# Altium PCB host_board.PcbDoc (part 4 of 7) (continued)
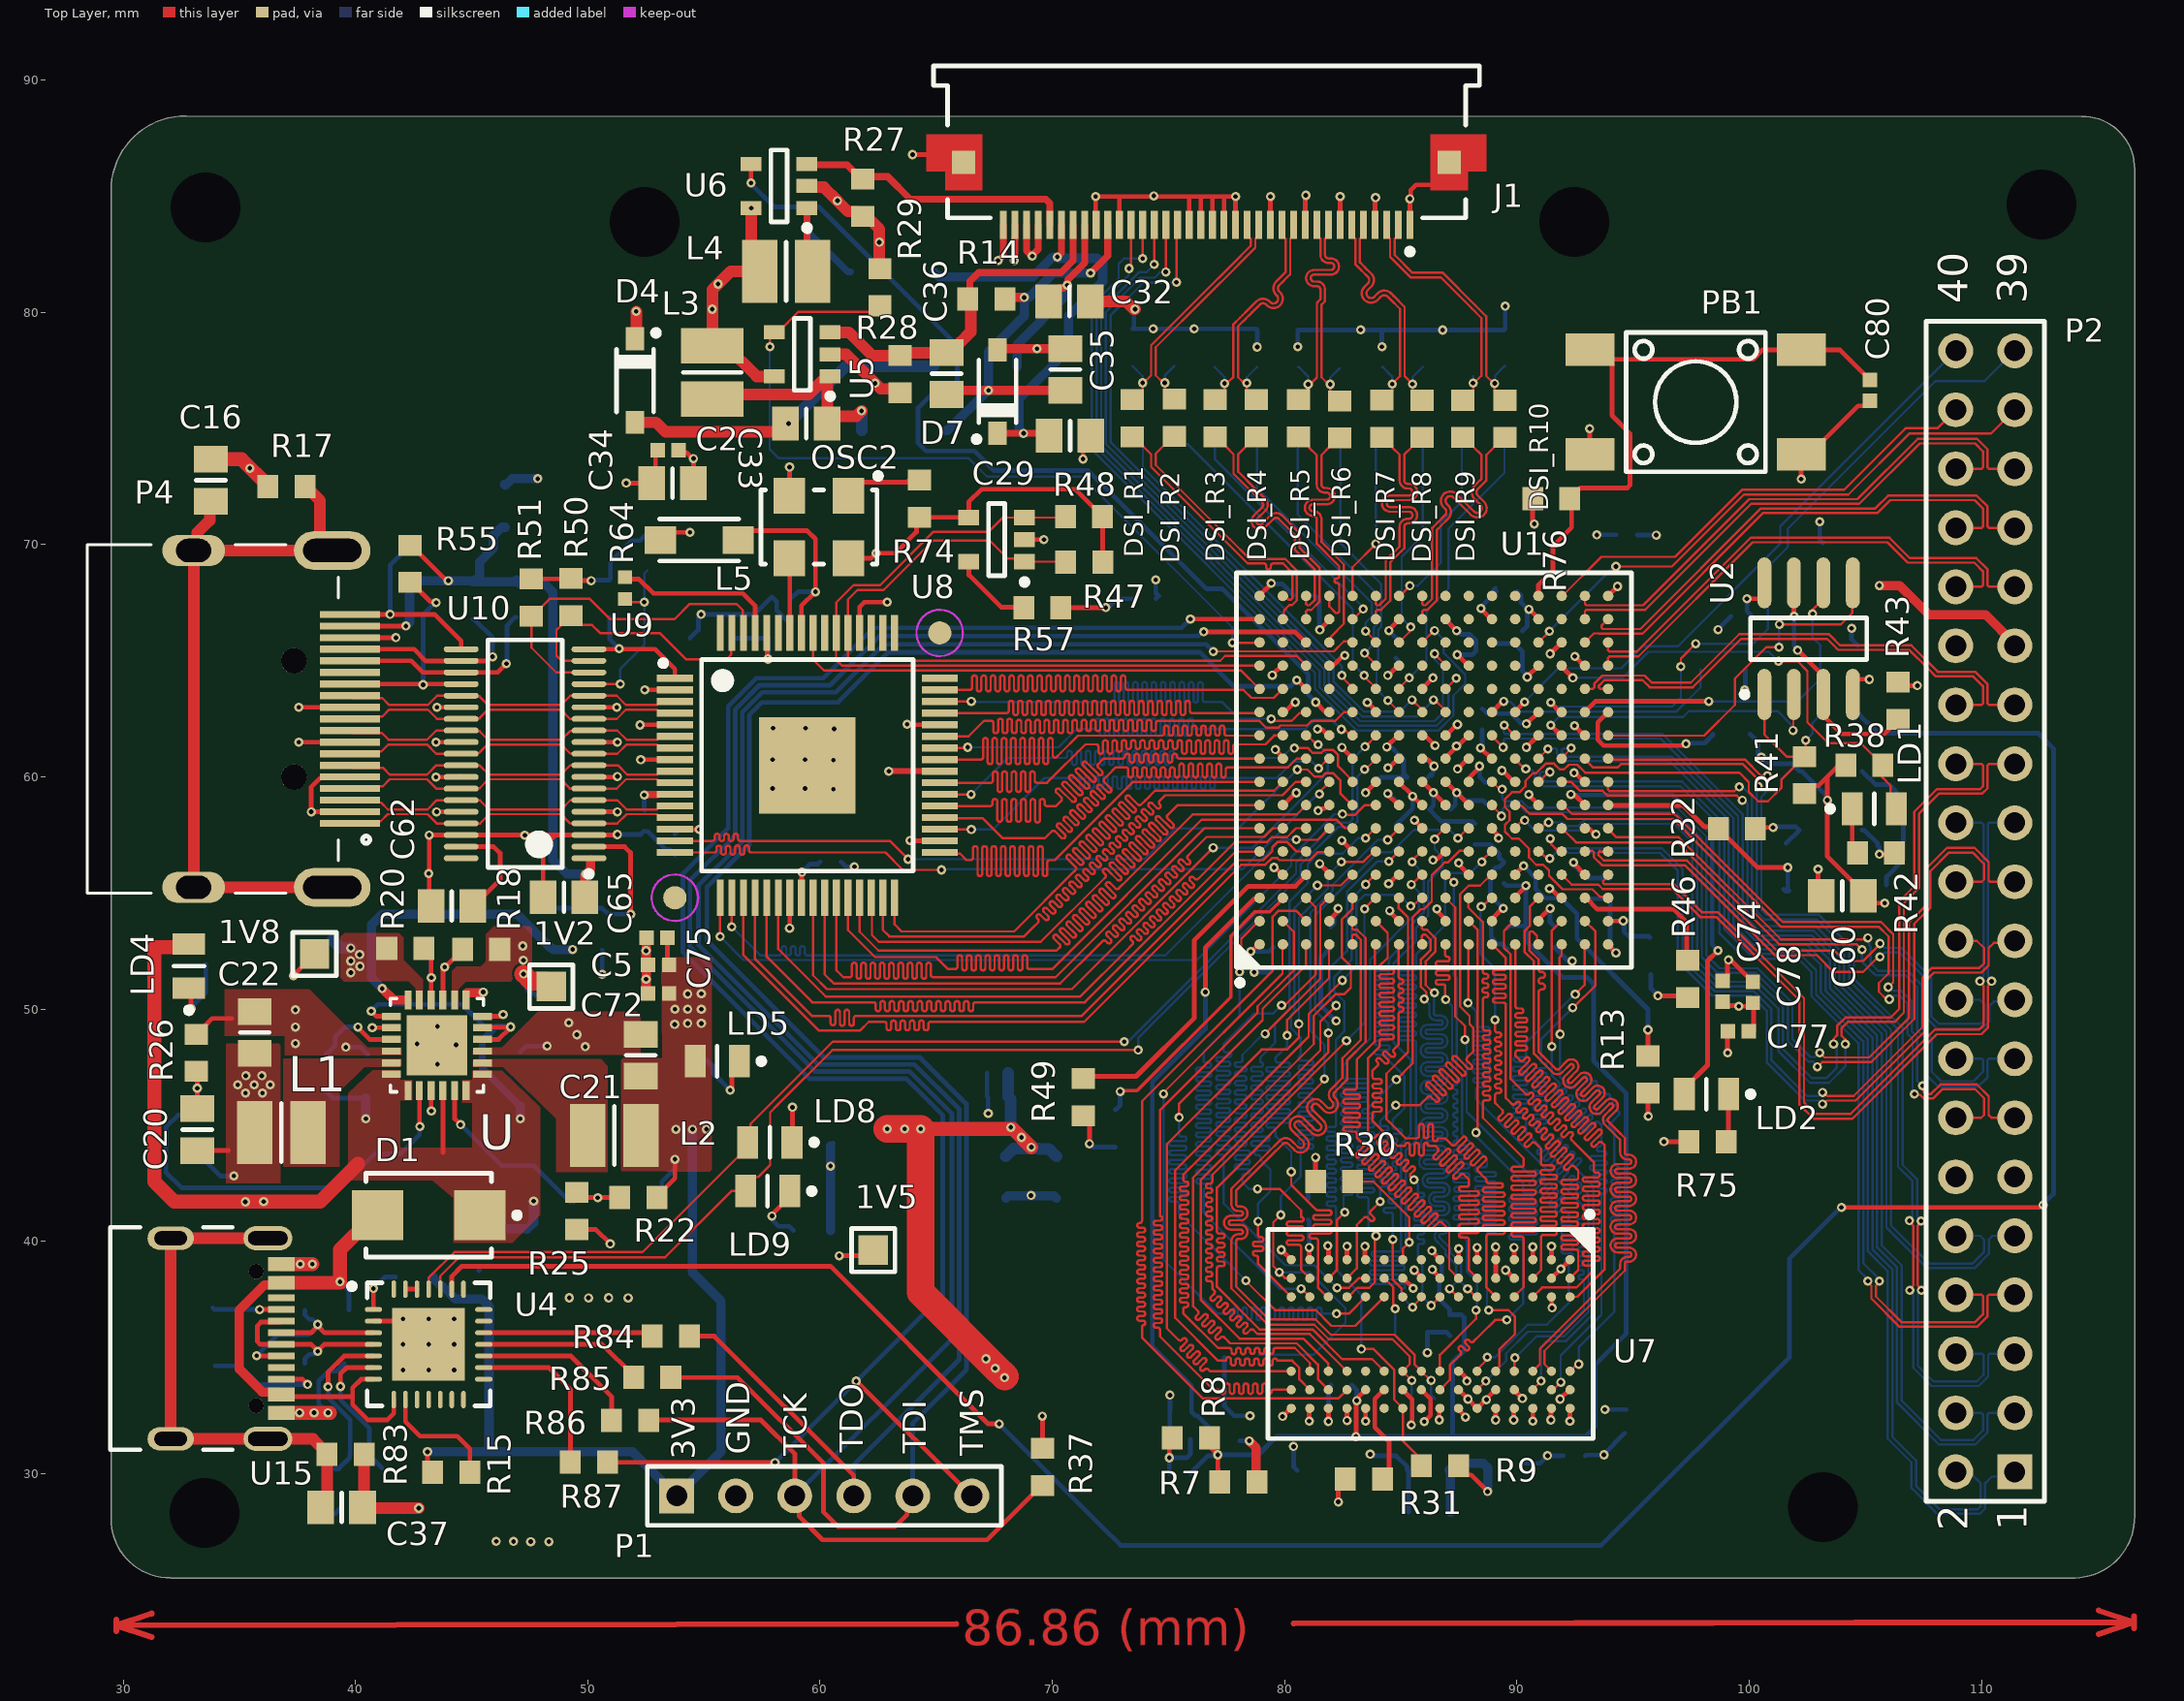
[diagram p0: Top Layer view]
## Nets (pads, with @x,y where several pads share a name; then routed paths per layer and width w, separated by ;. In a path a pad name is that pad's centre, name@x,y a point inside that pad or via, vN(x,y) a via of type N, cw(c..) or ccw(c..) an arc to the next point about the centre after c; other vN are vias at no path point) (continued)
DDR_D11: U1.L3 U7.C2 | length 34.2
  Top Layer w0.1: v1(88.455,54.42) 88.501,54.42 88.874,54.793 U1.L3@88.92,54.793 ; v1(89.055,49.543) 89.055,49.273 89.055,49.098 ccw(c89.155,49.098) 89.155,48.998 89.218,48.998 cw(c89.218,48.898) 89.218,48.798 89.155,48.798 ccw(c89.155,48.698) 89.155,48.598 89.218,48.598 cw(c89.218,48.498) 89.218,48.398 89.155,48.398 ccw(c89.155,48.298) 89.155,48.198 89.218,48.198 cw(c89.218,48.098) 89.218,47.998 89.155,47.998 ccw(c89.155,47.898) 89.155,47.798 89.218,47.798 cw(c89.218,47.698) 89.218,47.598 89.155,47.598 ccw(c89.155,47.498) 89.155,47.398 89.218,47.398 cw(c89.218,47.298) 89.218,47.198 89.155,47.198 ccw(c89.155,47.098) 89.155,46.998 89.218,46.998 cw(c89.218,46.898) 89.218,46.798 89.155,46.798 ccw(c89.155,46.698) 89.155,46.598 89.218,46.598 cw(c89.218,46.498) 89.218,46.398 89.155,46.398 ccw(c89.155,46.298) 89.055,46.298 89.055,46.048 89.055,45.97 89.092,45.933 89.154,45.871 89.364,45.661 cw(c89.293,45.591) 89.364,45.52 89.222,45.378 ccw(c89.293,45.308) 89.222,45.237 ccw(c89.293,45.308) 89.364,45.237 89.603,45.477 cw(c89.674,45.406) 89.745,45.477 cw(c89.674,45.406) 89.745,45.336 89.505,45.096 ccw(c89.576,45.025) 89.505,44.954 ccw(c89.576,45.025) 89.646,44.954 89.886,45.194 cw(c89.957,45.123) 90.028,45.194 cw(c89.957,45.123) 90.028,45.053 89.788,44.813 ccw(c89.858,44.742) 89.788,44.671 ccw(c89.859,44.742) 89.929,44.671 90.169,44.911 cw(c90.24,44.841) 90.311,44.911 cw(c90.24,44.841) 90.311,44.77 90.071,44.53 ccw(c90.141,44.459) 90.071,44.388 ccw(c90.141,44.459) 90.212,44.388 90.452,44.628 cw(c90.523,44.558) 90.593,44.628 cw(c90.523,44.558) 90.593,44.487 90.353,44.247 ccw(c90.424,44.176) 90.353,44.106 ccw(c90.424,44.176) 90.495,44.106 90.636,44.247 cw(c90.707,44.176) 90.778,44.247 90.813,44.212 90.88,44.145 91.03,43.995 91.03,43.695 91.03,43.38 ccw(c91.13,43.38) 91.13,43.28 91.499,43.28 cw(c91.499,43.18) 91.499,43.08 91.105,43.08 ccw(c91.105,42.98) 91.105,42.88 91.618,42.88 cw(c91.618,42.78) 91.618,42.68 91.105,42.68 ccw(c91.105,42.58) 91.105,42.48 91.61,42.48 cw(c91.61,42.38) 91.61,42.28 91.105,42.28 ccw(c91.105,42.18) 91.105,42.08 91.611,42.08 cw(c91.611,41.98) 91.611,41.88 91.105,41.88 ccw(c91.105,41.78) 91.105,41.68 91.611,41.68 cw(c91.611,41.58) 91.611,41.48 91.105,41.48 ccw(c91.105,41.38) 91.105,41.28 91.611,41.28 cw(c91.611,41.18) 91.611,41.08 91.105,41.08 ccw(c91.105,40.98) 91.105,40.88 91.611,40.88 cw(c91.611,40.78) 91.611,40.68 91.105,40.68 ccw(c91.105,40.58) 91.105,40.48 91.611,40.48 cw(c91.611,40.38) 91.611,40.28 91.13,40.28 ccw(c91.13,40.18) 91.03,40.18 91.03,39.93 91.03,38.77 U7.C2@90.68,38.42
  Bottom Layer w0.1: v1@88.43,54.42 88.43,52.37 89.055,51.745 v1(89.055,49.543)
DDR_D12: U1.P1 U7.A7 | length 34.3
  Top Layer w0.1: v1(91.853,48.928) 91.824,48.957 91.824,52.228 91.92,52.324 U1.P1@91.92,52.793 ; U7.A7@92.28,34.42 92.58,34.72 v2(92.655,34.72)
  Bottom Layer w0.1: v1(91.853,48.928) 91.851,48.926 91.851,47.084 91.851,47.082 91.938,46.995 91.973,46.96 92.304,46.629 ccw(c92.375,46.7) 92.445,46.629 92.988,47.172 cw(c93.059,47.101) 93.13,47.172 cw(c93.059,47.101) 93.13,47.031 92.587,46.488 ccw(c92.657,46.417) 92.587,46.346 ccw(c92.657,46.417) 92.728,46.346 93.271,46.889 cw(c93.342,46.819) 93.413,46.889 cw(c93.342,46.819) 93.413,46.748 92.87,46.205 ccw(c92.94,46.134) 92.87,46.063 ccw(c92.94,46.134) 93.011,46.063 93.554,46.606 cw(c93.625,46.536) 93.695,46.606 cw(c93.625,46.536) 93.695,46.465 93.152,45.922 ccw(c93.223,45.851) 93.152,45.78 ccw(c93.223,45.851) 93.294,45.78 93.837,46.324 cw(c93.908,46.253) 93.978,46.324 cw(c93.908,46.253) 93.978,46.182 93.435,45.639 ccw(c93.506,45.568) 93.435,45.498 ccw(c93.506,45.568) 93.577,45.498 94.12,46.041 cw(c94.19,45.97) 94.261,46.041 cw(c94.19,45.97) 94.261,45.899 93.718,45.356 ccw(c93.789,45.286) 93.718,45.215 ccw(c93.789,45.286) 93.859,45.215 94.238,45.594 cw(c94.309,45.523) 94.38,45.594 cw(c94.309,45.523) 94.38,45.452 94.001,45.073 ccw(c94.072,45.003) 94.001,44.932 94.18,44.753 94.18,44.616 94.18,44.26 94.18,44.17 94.18,43.378 ccw(c94.28,43.378) 94.28,43.278 cw(c94.28,43.178) 94.28,43.078 94.18,43.078 ccw(c94.18,42.978) 94.18,42.878 94.334,42.878 cw(c94.334,42.778) 94.334,42.678 94.163,42.678 ccw(c94.163,42.578) 94.163,42.478 94.35,42.478 cw(c94.35,42.378) 94.35,42.278 94.163,42.278 ccw(c94.163,42.178) 94.163,42.078 94.35,42.078 cw(c94.35,41.978) 94.35,41.878 94.141,41.878 ccw(c94.141,41.778) 94.141,41.678 94.35,41.678 cw(c94.35,41.578) 94.35,41.478 94.141,41.478 ccw(c94.141,41.378) 94.141,41.278 94.35,41.278 cw(c94.35,41.178) 94.35,41.078 94.141,41.078 ccw(c94.141,40.978) 94.141,40.878 94.35,40.878 cw(c94.35,40.778) 94.35,40.678 94.28,40.678 ccw(c94.28,40.578) 94.18,40.578 94.18,40.328 94.18,37.245 94.18,36.978 92.655,35.453 v2(92.655,34.72)
DDR_D13: U1.L1 U7.A2 | length 37.5
  Top Layer w0.1: U1.L1@88.92,52.793 88.932,52.793 89.518,52.207 89.518,52.032 89.518,51.782 cw(c89.418,51.782) 89.418,51.682 89.06,51.682 ccw(c89.06,51.582) 89.06,51.482 89.42,51.482 cw(c89.42,51.382) 89.42,51.282 89.06,51.282 ccw(c89.06,51.182) 89.06,51.082 89.421,51.082 cw(c89.421,50.982) 89.421,50.882 89.06,50.882 ccw(c89.06,50.782) 89.06,50.682 89.423,50.682 cw(c89.423,50.582) 89.423,50.482 89.06,50.482 ccw(c89.06,50.382) 89.06,50.282 89.418,50.282 cw(c89.418,50.182) 89.518,50.182 89.518,49.915 89.518,49.528 89.518,46.47 89.518,46.182 89.542,46.158 89.641,46.059 89.772,45.928 ccw(c89.842,45.999) 89.913,45.928 89.975,45.99 cw(c90.046,45.92) 90.117,45.99 cw(c90.046,45.92) 90.117,45.849 89.998,45.73 ccw(c90.069,45.66) 89.998,45.589 ccw(c90.069,45.66) 90.14,45.589 90.258,45.707 cw(c90.329,45.637) 90.4,45.707 cw(c90.329,45.637) 90.4,45.566 90.281,45.448 ccw(c90.352,45.377) 90.281,45.306 ccw(c90.352,45.377) 90.422,45.306 90.541,45.425 cw(c90.612,45.354) 90.682,45.425 cw(c90.612,45.354) 90.682,45.283 90.564,45.165 ccw(c90.635,45.094) 90.564,45.023 ccw(c90.635,45.094) 90.705,45.023 90.824,45.142 cw(c90.894,45.071) 90.965,45.142 cw(c90.894,45.071) 90.965,45 90.847,44.882 ccw(c90.917,44.811) 90.847,44.74 ccw(c90.917,44.811) 90.988,44.74 91.107,44.859 cw(c91.177,44.788) 91.248,44.859 cw(c91.177,44.788) 91.248,44.717 91.087,44.556 ccw(c91.158,44.486) 91.087,44.415 ccw(c91.158,44.486) 91.228,44.415 91.389,44.576 cw(c91.46,44.505) 91.531,44.576 cw(c91.46,44.505) 91.531,44.435 91.269,44.173 ccw(c91.34,44.102) 91.269,44.032 ccw(c91.34,44.102) 91.411,44.032 91.672,44.293 cw(c91.743,44.222) 91.814,44.293 cw(c91.743,44.222) 91.814,44.152 91.482,43.82 ccw(c91.553,43.749) 91.482,43.679 ccw(c91.553,43.749) 91.623,43.679 91.955,44.01 cw(c92.026,43.94) 92.096,44.01 cw(c92.026,43.94) 92.096,43.869 91.765,43.537 ccw(c91.836,43.467) 91.765,43.396 ccw(c91.836,43.467) 91.906,43.396 92.238,43.727 cw(c92.309,43.657) 92.379,43.727 cw(c92.309,43.657) 92.379,43.586 92.048,43.254 ccw(c92.118,43.184) 92.048,43.113 ccw(c92.118,43.184) 92.189,43.113 92.317,43.241 cw(c92.388,43.171) 92.459,43.241 92.494,43.206 92.555,43.145 92.63,43.07 92.63,42.92 92.63,42.759 cw(c92.53,42.759) 92.53,42.659 92.002,42.659 ccw(c92.002,42.559) 92.002,42.459 92.529,42.459 cw(c92.529,42.359) 92.529,42.259 92.002,42.259 ccw(c92.002,42.159) 92.002,42.059 92.53,42.059 cw(c92.53,41.959) 92.53,41.859 92.002,41.859 ccw(c92.002,41.759) 92.002,41.659 92.53,41.659 cw(c92.53,41.559) 92.53,41.459 92.002,41.459 ccw(c92.002,41.359) 92.002,41.259 92.53,41.259 cw(c92.53,41.159) 92.53,41.059 92.002,41.059 ccw(c92.002,40.959) 92.002,40.859 92.53,40.859 cw(c92.53,40.759) 92.53,40.659 92.002,40.659 ccw(c92.002,40.559) 92.002,40.459 92.53,40.459 cw(c92.53,40.359) 92.53,40.259 92.002,40.259 ccw(c92.002,40.159) 92.002,40.059 92.53,40.059 cw(c92.53,39.959) 92.53,39.859 92.002,39.859 ccw(c92.002,39.759) 92.002,39.659 92.53,39.659 cw(c92.53,39.559) 92.63,39.559 92.63,39.509 92.63,38.77 U7.A2@92.28,38.42
DDR_D14: U1.P2 U7.B8 | length 34.3
  Top Layer w0.1: U7.B8@91.48,33.62 91.555,33.62 v2(91.88,33.945) ; v1(91.5,48.4) 91.5,53.39 91.903,53.793 U1.P2@91.92,53.793
  Bottom Layer w0.1: v1(91.5,48.4) 91.5,47.15 91.522,47.128 91.66,46.99 91.811,46.839 cw(c91.741,46.768) 91.811,46.697 91.626,46.512 ccw(c91.697,46.442) 91.626,46.371 ccw(c91.697,46.442) 91.768,46.371 91.953,46.556 cw(c92.023,46.485) 92.094,46.556 cw(c92.023,46.485) 92.094,46.414 91.707,46.027 ccw(c91.778,45.957) 91.707,45.886 ccw(c91.778,45.957) 91.848,45.886 92.236,46.273 cw(c92.306,46.202) 92.377,46.273 cw(c92.306,46.202) 92.377,46.132 91.99,45.744 ccw(c92.061,45.674) 91.99,45.603 ccw(c92.061,45.674) 92.131,45.603 92.518,45.99 cw(c92.589,45.919) 92.66,45.99 cw(c92.589,45.919) 92.66,45.849 92.273,45.462 ccw(c92.343,45.391) 92.273,45.32 ccw(c92.343,45.391) 92.414,45.32 92.801,45.707 cw(c92.872,45.637) 92.943,45.707 cw(c92.872,45.637) 92.943,45.566 92.555,45.179 ccw(c92.626,45.108) 92.555,45.037 ccw(c92.626,45.108) 92.697,45.037 93.084,45.424 cw(c93.155,45.354) 93.226,45.424 cw(c93.155,45.354) 93.226,45.283 92.838,44.896 ccw(c92.909,44.825) 92.838,44.754 ccw(c92.909,44.825) 92.98,44.754 93.367,45.142 cw(c93.438,45.071) 93.508,45.142 93.544,45.106 93.63,45.02 93.63,44.45 93.63,44.4 93.63,44.182 cw(c93.53,44.182) 93.53,44.082 ccw(c93.53,43.982) 93.53,43.882 93.745,43.882 cw(c93.745,43.782) 93.745,43.682 93.237,43.682 ccw(c93.237,43.582) 93.237,43.482 93.763,43.482 cw(c93.763,43.382) 93.763,43.282 93.237,43.282 ccw(c93.237,43.182) 93.237,43.082 93.763,43.082 cw(c93.763,42.982) 93.763,42.882 93.376,42.882 ccw(c93.376,42.782) 93.376,42.682 93.763,42.682 cw(c93.763,42.582) 93.763,42.482 93.58,42.482 ccw(c93.58,42.382) 93.58,42.282 93.763,42.282 cw(c93.763,42.182) 93.763,42.082 93.73,42.082 ccw(c93.73,41.982) 93.63,41.982 93.63,41.782 93.63,41.732 93.63,38.82 93.63,36.845 91.88,35.095 v2(91.88,33.945)
DDR_D15: U1.M1 U7.A3 | length 37.3
  Top Layer w0.1: U1.M1@89.92,52.793 89.935,52.778 89.935,50.182 89.935,50.132 ccw(c90.035,50.132) 90.035,50.032 90.172,50.032 cw(c90.172,49.932) 90.172,49.832 90.026,49.832 ccw(c90.026,49.732) 90.026,49.632 90.336,49.632 cw(c90.336,49.532) 90.336,49.432 90.027,49.432 ccw(c90.027,49.332) 90.027,49.232 90.336,49.232 cw(c90.336,49.132) 90.336,49.032 90.028,49.032 ccw(c90.028,48.932) 90.028,48.832 90.336,48.832 cw(c90.336,48.732) 90.336,48.632 90.029,48.632 ccw(c90.029,48.532) 90.029,48.432 90.336,48.432 cw(c90.336,48.332) 90.336,48.232 90.035,48.232 ccw(c90.035,48.132) 89.935,48.132 89.935,47.995 90.01,47.92 90.092,47.838 90.127,47.803 ccw(c90.198,47.874) 90.268,47.803 90.371,47.906 cw(c90.442,47.835) 90.512,47.906 cw(c90.442,47.835) 90.512,47.764 90.113,47.365 ccw(c90.183,47.294) 90.113,47.223 ccw(c90.183,47.294) 90.254,47.223 90.654,47.623 cw(c90.724,47.552) 90.795,47.623 cw(c90.724,47.552) 90.795,47.481 90.395,47.082 ccw(c90.466,47.011) 90.395,46.94 ccw(c90.466,47.011) 90.537,46.94 90.937,47.34 cw(c91.007,47.269) 91.078,47.34 cw(c91.007,47.269) 91.078,47.199 90.678,46.799 ccw(c90.749,46.728) 90.678,46.657 ccw(c90.749,46.728) 90.82,46.657 91.219,47.057 cw(c91.29,46.986) 91.361,47.057 cw(c91.29,46.986) 91.361,46.916 90.961,46.516 ccw(c91.032,46.445) 90.961,46.375 ccw(c91.032,46.445) 91.102,46.375 91.502,46.774 cw(c91.573,46.704) 91.644,46.774 cw(c91.573,46.704) 91.644,46.633 91.244,46.233 ccw(c91.315,46.162) 91.244,46.092 ccw(c91.315,46.162) 91.385,46.092 91.785,46.491 cw(c91.856,46.421) 91.926,46.491 cw(c91.856,46.421) 91.926,46.35 91.527,45.95 ccw(c91.597,45.88) 91.527,45.809 ccw(c91.597,45.88) 91.668,45.809 92.03,46.171 cw(c92.101,46.1) 92.172,46.171 cw(c92.101,46.1) 92.172,46.03 91.81,45.667 ccw(c91.88,45.597) 91.81,45.526 ccw(c91.88,45.597) 91.951,45.526 92.322,45.897 cw(c92.393,45.826) 92.463,45.897 cw(c92.393,45.826) 92.463,45.755 92.092,45.385 ccw(c92.163,45.314) 92.092,45.243 ccw(c92.163,45.314) 92.234,45.243 92.596,45.605 cw(c92.667,45.535) 92.737,45.605 cw(c92.667,45.535) 92.737,45.464 92.375,45.102 ccw(c92.446,45.031) 92.375,44.96 ccw(c92.446,45.031) 92.517,44.96 92.887,45.33 cw(c92.958,45.26) 93.028,45.33 cw(c92.958,45.26) 93.028,45.189 92.658,44.819 ccw(c92.729,44.748) 92.658,44.678 ccw(c92.729,44.748) 92.8,44.678 93.199,45.077 cw(c93.27,45.007) 93.341,45.077 cw(c93.27,45.007) 93.341,44.936 92.941,44.536 ccw(c93.012,44.465) 92.941,44.395 ccw(c93.012,44.465) 93.082,44.395 93.482,44.794 cw(c93.553,44.724) 93.624,44.794 cw(c93.553,44.724) 93.624,44.653 93.224,44.253 ccw(c93.295,44.183) 93.224,44.112 ccw(c93.295,44.183) 93.365,44.112 93.521,44.268 cw(c93.592,44.197) 93.662,44.268 93.762,44.168 93.762,44.13 93.762,38.792 92.59,37.62 U7.A3@92.28,37.62
DDR_DM0: U1.J4 U7.E7 | length 34.9
  Top Layer w0.1: U1.J4@86.905,55.82 86.88,55.795 86.88,55.87 v1(87.28,55.47) ; v2@88.805,37.045 89.636,37.045 89.91,36.771 89.91,36.025 89.233,35.348 89.233,34.629 89.08,34.476 U7.E7@89.08,34.42
  Bottom Layer w0.1: v1(87.28,55.47) 87.28,51.467 87.405,51.342 87.405,47.42 87.63,47.195 87.63,44.632 88.705,43.557 88.705,43.495 88.705,43.395 88.705,43.295 cw(c88.605,43.295) 88.605,43.195 88.298,43.195 ccw(c88.298,43.095) 88.198,43.095 ccw(c88.298,43.095) 88.298,42.995 88.705,42.995 88.99,42.995 cw(c88.99,42.895) 89.09,42.895 cw(c88.99,42.895) 88.99,42.795 88.705,42.795 88.298,42.795 ccw(c88.298,42.695) 88.198,42.695 ccw(c88.298,42.695) 88.298,42.595 88.705,42.595 88.99,42.595 cw(c88.99,42.495) 89.09,42.495 cw(c88.99,42.495) 88.99,42.395 88.705,42.395 88.298,42.395 ccw(c88.298,42.295) 88.198,42.295 ccw(c88.298,42.295) 88.298,42.195 88.705,42.195 88.99,42.195 cw(c88.99,42.095) 89.09,42.095 cw(c88.99,42.095) 88.99,41.995 88.705,41.995 88.298,41.995 ccw(c88.298,41.895) 88.198,41.895 ccw(c88.298,41.895) 88.298,41.795 88.705,41.795 88.99,41.795 cw(c88.99,41.695) 89.09,41.695 cw(c88.99,41.695) 88.99,41.595 88.705,41.595 88.298,41.595 ccw(c88.298,41.495) 88.198,41.495 ccw(c88.298,41.495) 88.298,41.395 88.705,41.395 88.99,41.395 cw(c88.99,41.295) 89.09,41.295 cw(c88.99,41.295) 88.99,41.195 88.705,41.195 88.298,41.195 ccw(c88.298,41.095) 88.198,41.095 ccw(c88.298,41.095) 88.298,40.995 88.705,40.995 88.99,40.995 cw(c88.99,40.895) 89.09,40.895 cw(c88.99,40.895) 88.99,40.795 88.705,40.795 88.298,40.795 ccw(c88.298,40.695) 88.198,40.695 ccw(c88.298,40.695) 88.298,40.595 88.705,40.595 88.99,40.595 cw(c88.99,40.495) 89.09,40.495 cw(c88.99,40.495) 88.99,40.395 88.755,40.395 ccw(c88.755,40.345) 88.705,40.345 88.705,37.12 v2(88.78,37.045)
DDR_DM1: U1.K3 U7.D3 | length 37.5
  Top Layer w0.1: U1.K3@87.92,54.793 87.905,54.778 87.905,54.375 88.53,53.75 88.53,52.975 88.53,51.67 88.53,51.62 ccw(c88.63,51.62) 88.63,51.52 88.666,51.52 cw(c88.666,51.42) 88.666,51.32 88.605,51.32 ccw(c88.605,51.22) 88.605,51.12 88.666,51.12 cw(c88.666,51.02) 88.666,50.92 88.605,50.92 ccw(c88.605,50.82) 88.605,50.72 88.666,50.72 cw(c88.666,50.62) 88.666,50.52 88.63,50.52 ccw(c88.63,50.42) 88.53,50.42 88.53,50.22 88.53,49.187 ccw(c88.63,49.187) 88.63,49.087 88.755,49.087 cw(c88.755,48.987) 88.855,48.987 cw(c88.755,48.987) 88.755,48.887 88.63,48.887 ccw(c88.63,48.787) 88.53,48.787 ccw(c88.63,48.787) 88.63,48.687 88.755,48.687 cw(c88.755,48.587) 88.855,48.587 cw(c88.755,48.587) 88.755,48.487 88.63,48.487 ccw(c88.63,48.387) 88.53,48.387 ccw(c88.63,48.387) 88.63,48.287 88.755,48.287 cw(c88.755,48.187) 88.855,48.187 cw(c88.755,48.187) 88.755,48.087 88.63,48.087 ccw(c88.63,47.987) 88.53,47.987 ccw(c88.63,47.987) 88.63,47.887 88.755,47.887 cw(c88.755,47.787) 88.855,47.787 cw(c88.755,47.787) 88.755,47.687 88.63,47.687 ccw(c88.63,47.587) 88.53,47.587 ccw(c88.63,47.587) 88.63,47.487 88.755,47.487 cw(c88.755,47.387) 88.855,47.387 cw(c88.755,47.387) 88.755,47.287 88.63,47.287 ccw(c88.63,47.187) 88.53,47.187 ccw(c88.63,47.187) 88.63,47.087 88.755,47.087 cw(c88.755,46.987) 88.855,46.987 cw(c88.755,46.987) 88.755,46.887 88.63,46.887 ccw(c88.63,46.787) 88.53,46.787 ccw(c88.63,46.787) 88.63,46.687 88.755,46.687 cw(c88.755,46.587) 88.855,46.587 cw(c88.755,46.587) 88.755,46.487 88.63,46.487 ccw(c88.63,46.387) 88.53,46.387 ccw(c88.63,46.387) 88.63,46.287 88.755,46.287 cw(c88.755,46.187) 88.855,46.187 cw(c88.755,46.187) 88.755,46.087 88.63,46.087 ccw(c88.63,45.987) 88.53,45.987 88.53,45.887 88.53,45.695 88.53,45.332 90.28,43.582 90.28,43.489 90.28,43.295 cw(c90.205,43.295) 90.205,43.22 89.855,43.22 ccw(c89.855,43.12) 89.755,43.12 ccw(c89.855,43.12) 89.855,43.02 90.28,43.02 90.705,43.02 cw(c90.705,42.92) 90.805,42.92 cw(c90.705,42.92) 90.705,42.82 90.28,42.82 89.855,42.82 ccw(c89.855,42.72) 89.755,42.72 ccw(c89.855,42.72) 89.855,42.62 90.28,42.62 90.705,42.62 cw(c90.705,42.52) 90.805,42.52 cw(c90.705,42.52) 90.705,42.42 90.28,42.42 89.855,42.42 ccw(c89.855,42.32) 89.755,42.32 ccw(c89.855,42.32) 89.855,42.22 90.28,42.22 90.705,42.22 cw(c90.705,42.12) 90.805,42.12 cw(c90.705,42.12) 90.705,42.02 90.28,42.02 89.855,42.02 ccw(c89.855,41.92) 89.755,41.92 ccw(c89.855,41.92) 89.855,41.82 90.28,41.82 90.705,41.82 cw(c90.705,41.72) 90.805,41.72 cw(c90.705,41.72) 90.705,41.62 90.28,41.62 89.855,41.62 ccw(c89.855,41.52) 89.755,41.52 ccw(c89.855,41.52) 89.855,41.42 90.28,41.42 90.705,41.42 cw(c90.705,41.32) 90.805,41.32 cw(c90.705,41.32) 90.705,41.22 90.28,41.22 89.855,41.22 ccw(c89.855,41.12) 89.755,41.12 ccw(c89.855,41.12) 89.855,41.02 90.28,41.02 90.705,41.02 cw(c90.705,40.92) 90.805,40.92 cw(c90.705,40.92) 90.705,40.82 90.28,40.82 89.855,40.82 ccw(c89.855,40.72) 89.755,40.72 ccw(c89.855,40.72) 89.855,40.62 90.28,40.62 90.705,40.62 cw(c90.705,40.52) 90.805,40.52 cw(c90.705,40.52) 90.705,40.42 90.28,40.42 89.855,40.42 ccw(c89.855,40.32) 89.755,40.32 ccw(c89.855,40.32) 89.855,40.22 90.18,40.22 cw(c90.18,40.12) 90.28,40.12 90.28,38.045 89.88,37.645 U7.D3@89.88,37.62
DDR_LDQS_N: U1.H1 U7.G3 | length 34.3
  Top Layer w0.1: U1.H1@85.905,52.82 85.905,53.161 85.964,53.22 86.046,53.22 86.28,52.986 86.28,52.561 85.865,52.146 85.865,50.965 86.09,50.74 86.09,50.565 86.005,50.48 v1(86.005,50.438) ; v2(87.096,37.97) 87.446,37.62 U7.G3@87.48,37.62
  Bottom Layer w0.1: v1(86.005,50.438) 86.224,50.219 86.224,49.978 86.224,49.828 ccw(c86.523,49.828) 86.523,49.528 86.705,49.528 cw(c86.705,49.428) 86.705,49.328 86.155,49.328 ccw(c86.155,49.028) 86.155,48.728 86.705,48.728 cw(c86.705,48.628) 86.705,48.528 86.155,48.528 ccw(c86.155,48.228) 86.155,47.928 86.705,47.928 cw(c86.705,47.828) 86.705,47.728 86.155,47.728 ccw(c86.155,47.428) 86.155,47.128 86.713,47.128 cw(c86.713,47.028) 86.713,46.928 86.155,46.928 ccw(c86.155,46.628) 86.155,46.328 86.705,46.328 cw(c86.705,46.228) 86.705,46.128 86.155,46.128 ccw(c86.155,45.828) 86.155,45.528 86.705,45.528 cw(c86.705,45.428) 86.705,45.328 86.155,45.328 ccw(c86.155,45.028) 86.155,44.728 86.705,44.728 cw(c86.705,44.628) 86.705,44.528 86.155,44.528 ccw(c86.155,44.228) 86.155,43.928 86.705,43.928 cw(c86.705,43.828) 86.705,43.728 86.086,43.728 ccw(c86.086,43.428) 86.086,43.128 86.791,43.128 cw(c86.791,43.028) 86.791,42.928 86.23,42.928 ccw(c86.23,42.628) 86.23,42.328 86.791,42.328 cw(c86.791,42.228) 86.791,42.128 86.508,42.128 ccw(c86.508,41.828) 86.508,41.528 86.791,41.528 cw(c86.791,41.428) 86.791,41.328 86.508,41.328 ccw(c86.508,41.028) 86.508,40.728 86.791,40.728 cw(c86.791,40.628) 86.791,40.528 86.754,40.528 ccw(c86.754,40.228) 86.542,40.015 86.757,39.8 86.837,39.72 86.93,39.627 86.93,39.432 87.075,39.287 87.385,38.978 87.385,38.42 87.385,38.255 87.1,37.97 v2(87.096,37.97)
DDR_LDQS_P: U1.H2 U7.F3 | length 34.5
  Top Layer w0.1: U1.H2@85.905,53.82 85.905,53.479 85.964,53.42 86.129,53.42 86.48,53.069 86.48,52.478 86.065,52.063 86.065,51.048 86.39,50.722 v1@86.39,50.71 ; v1@86.438,50.709 v1(86.44,50.71) ; v2@87.88,37.97 88.23,37.62 U7.F3@88.28,37.62
  Bottom Layer w0.1: v1(86.44,50.71) 86.423,50.694 86.423,49.978 86.423,49.828 ccw(c86.523,49.828) 86.523,49.728 86.705,49.728 cw(c86.705,49.428) 86.705,49.128 86.155,49.128 ccw(c86.155,49.028) 86.155,48.928 86.705,48.928 cw(c86.705,48.628) 86.705,48.328 86.155,48.328 ccw(c86.155,48.228) 86.155,48.128 86.705,48.128 cw(c86.705,47.828) 86.705,47.528 86.155,47.528 ccw(c86.155,47.428) 86.155,47.328 86.713,47.328 cw(c86.713,47.028) 86.713,46.728 86.155,46.728 ccw(c86.155,46.628) 86.155,46.528 86.705,46.528 cw(c86.705,46.228) 86.705,45.928 86.155,45.928 ccw(c86.155,45.828) 86.155,45.728 86.705,45.728 cw(c86.705,45.428) 86.705,45.128 86.155,45.128 ccw(c86.155,45.028) 86.155,44.928 86.705,44.928 cw(c86.705,44.628) 86.705,44.328 86.155,44.328 ccw(c86.155,44.228) 86.155,44.128 86.705,44.128 cw(c86.705,43.828) 86.705,43.528 86.086,43.528 ccw(c86.086,43.428) 86.086,43.328 86.791,43.328 cw(c86.791,43.028) 86.791,42.728 86.23,42.728 ccw(c86.23,42.628) 86.23,42.528 86.791,42.528 cw(c86.791,42.228) 86.791,41.928 86.508,41.928 ccw(c86.508,41.828) 86.508,41.728 86.791,41.728 cw(c86.791,41.428) 86.791,41.128 86.508,41.128 ccw(c86.508,41.028) 86.508,40.928 86.791,40.928 cw(c86.791,40.628) 86.791,40.328 86.754,40.328 ccw(c86.754,40.228) 86.683,40.157 86.899,39.941 ; 86.899,39.941 87.12,39.72 87.13,39.71 87.13,39.515 87.58,39.065 87.585,39.06 87.585,38.36 87.585,38.255 87.873,37.966 v2(87.873,37.963)
DDR_ODT: R30.2 U1.L5 U7.K1 | length 34.3
  Top Layer w0.1: R30.2@82.926,42.587 83.813,42.587 85.358,41.042 v2(85.358,39.965) 85.08,39.687 U7.K1@85.08,39.22 ; v1(88.48,56.349) 88.48,56.395 U1.L5@88.905,56.82
  Bottom Layer w0.1: v2(85.358,39.965) 85.21,40.113 85.21,43.925 85.222,43.937 85.655,44.37 85.655,48.27 85.655,48.56 ccw(c85.555,48.56) 85.555,48.66 85.027,48.66 cw(c85.027,48.76) 84.927,48.76 cw(c85.027,48.76) 85.027,48.86 85.555,48.86 ccw(c85.555,48.96) 85.655,48.96 ccw(c85.555,48.96) 85.555,49.06 85.027,49.06 cw(c85.027,49.16) 84.927,49.16 cw(c85.027,49.16) 85.027,49.26 85.555,49.26 ccw(c85.555,49.36) 85.655,49.36 ccw(c85.555,49.36) 85.555,49.46 85.027,49.46 cw(c85.027,49.56) 84.927,49.56 cw(c85.027,49.56) 85.027,49.66 85.555,49.66 ccw(c85.555,49.76) 85.655,49.76 ccw(c85.555,49.76) 85.555,49.86 85.027,49.86 cw(c85.027,49.96) 84.927,49.96 cw(c85.027,49.96) 85.027,50.06 85.555,50.06 ccw(c85.555,50.16) 85.655,50.16 ccw(c85.555,50.16) 85.555,50.26 85.027,50.26 cw(c85.027,50.36) 84.927,50.36 cw(c85.027,50.36) 85.027,50.46 85.555,50.46 ccw(c85.555,50.56) 85.655,50.56 ccw(c85.555,50.56) 85.555,50.66 85.027,50.66 cw(c85.027,50.76) 84.927,50.76 cw(c85.027,50.76) 85.027,50.86 85.555,50.86 ccw(c85.555,50.96) 85.655,50.96 ccw(c85.555,50.96) 85.555,51.06 85.027,51.06 cw(c85.027,51.16) 84.927,51.16 cw(c85.027,51.16) 85.027,51.26 85.555,51.26 ccw(c85.555,51.36) 85.655,51.36 ccw(c85.555,51.36) 85.555,51.46 85.027,51.46 cw(c85.027,51.56) 84.927,51.56 cw(c85.027,51.56) 85.027,51.66 85.555,51.66 ccw(c85.555,51.76) 85.655,51.76 85.655,51.86 85.655,51.96 85.655,52.37 86.899,53.614 86.899,54.144 ; 86.899,54.144 86.899,55.679 87.09,55.87 88.001,55.87 v1(88.48,56.349)
DDR_RAS: U1.J6 U7.J3 | length 34.3
  Top Layer w0.1: v2(85.505,37.175) 85.505,37.21 85.88,37.585 U7.J3@85.88,37.62 ; v1(86.455,57.32) 86.455,57.37 U1.J6@86.905,57.82
  Bottom Layer w0.1: v2(85.505,37.175) 85.5,37.175 85.005,37.67 85.005,37.77 85.005,37.893 cw(c85.082,37.893) 85.082,37.97 ccw(c85.082,38.07) 85.182,38.07 ccw(c85.082,38.07) 85.082,38.17 85.005,38.17 83.763,38.17 cw(c83.763,38.27) 83.663,38.27 cw(c83.763,38.27) 83.763,38.37 85.005,38.37 85.067,38.37 ccw(c85.067,38.47) 85.167,38.47 ccw(c85.067,38.47) 85.067,38.57 85.005,38.57 83.763,38.57 cw(c83.763,38.67) 83.663,38.67 cw(c83.763,38.67) 83.763,38.77 85.005,38.77 85.06,38.77 ccw(c85.06,38.87) 85.16,38.87 ccw(c85.06,38.87) 85.06,38.97 85.005,38.97 83.763,38.97 cw(c83.763,39.07) 83.663,39.07 cw(c83.763,39.07) 83.763,39.17 85.005,39.17 85.067,39.17 ccw(c85.067,39.27) 85.167,39.27 ccw(c85.067,39.27) 85.067,39.37 85.005,39.37 83.84,39.37 cw(c83.84,39.47) 83.74,39.47 cw(c83.84,39.47) 83.84,39.57 84.93,39.57 ccw(c84.93,39.645) 85.005,39.645 85.005,44.181 85.428,44.605 85.428,47.82 84.68,48.569 84.68,51.97 85.655,52.945 85.655,53.52 86.18,54.045 86.18,55.499 86.78,56.099 86.78,56.57 86.455,56.895 v1(86.455,57.32)
DDR_RESETN: R11.2 U1.E4 U7.T2 | length 39.7
  Top Layer w0.1: v1(79.83,41.145) 79.505,40.82 79.505,38.945 v2(79.767,38.682) 80.03,38.42 U7.T2@80.28,38.42 ; v1(81.405,55.334) 82.419,55.334 U1.E4@82.905,55.82
  Bottom Layer w0.1: R11.2@78.88,35.136 81.246,35.136 82.617,36.507 82.617,37.133 81.068,38.682 v2(79.767,38.682) ; v1(79.83,41.145) 79.83,41.945 80.68,42.795 80.68,43.92 cw(c80.755,43.92) 80.755,43.995 81.13,43.995 ccw(c81.13,44.095) 81.23,44.095 ccw(c81.13,44.095) 81.13,44.195 80.68,44.195 cw(c80.68,44.275) 80.6,44.275 80.6,44.315 cw(c80.68,44.315) 80.68,44.395 81.13,44.395 ccw(c81.13,44.495) 81.23,44.495 ccw(c81.13,44.495) 81.13,44.595 80.68,44.595 cw(c80.68,44.675) 80.6,44.675 80.6,44.715 cw(c80.68,44.715) 80.68,44.795 81.13,44.795 ccw(c81.13,44.895) 81.23,44.895 ccw(c81.13,44.895) 81.13,44.995 80.68,44.995 cw(c80.68,45.075) 80.6,45.075 80.6,45.115 cw(c80.68,45.115) 80.68,45.195 81.13,45.195 ccw(c81.13,45.295) 81.23,45.295 ccw(c81.13,45.295) 81.13,45.395 80.68,45.395 cw(c80.68,45.475) 80.6,45.475 80.6,45.515 cw(c80.68,45.515) 80.68,45.595 81.13,45.595 ccw(c81.13,45.695) 81.23,45.695 ccw(c81.13,45.695) 81.13,45.795 80.68,45.795 cw(c80.68,45.875) 80.6,45.875 80.6,45.915 cw(c80.68,45.915) 80.68,45.995 81.13,45.995 ccw(c81.13,46.095) 81.23,46.095 ccw(c81.13,46.095) 81.13,46.195 80.68,46.195 cw(c80.68,46.275) 80.6,46.275 80.6,46.315 cw(c80.68,46.315) 80.68,46.395 81.13,46.395 ccw(c81.13,46.495) 81.23,46.495 ccw(c81.13,46.495) 81.13,46.595 80.68,46.595 cw(c80.68,46.675) 80.6,46.675 80.6,46.715 cw(c80.68,46.715) 80.68,46.795 81.13,46.795 ccw(c81.13,46.895) 81.23,46.895 ccw(c81.13,46.895) 81.13,46.995 80.68,46.995 cw(c80.68,47.075) 80.6,47.075 80.6,47.115 cw(c80.68,47.115) 80.68,47.195 81.13,47.195 ccw(c81.13,47.295) 81.23,47.295 ccw(c81.13,47.295) 81.13,47.395 80.68,47.395 cw(c80.68,47.475) 80.6,47.475 80.6,47.515 cw(c80.68,47.515) 80.68,47.595 81.13,47.595 ccw(c81.13,47.695) 81.23,47.695 ccw(c81.13,47.695) 81.13,47.795 80.68,47.795 cw(c80.68,47.875) 80.6,47.875 80.6,47.915 cw(c80.68,47.915) 80.68,47.995 80.68,48.195 80.68,48.295 80.68,48.788 80.26,49.208 80.26,49.767 80.41,49.918 80.41,54.339 v1(81.405,55.334)